# KiCad board AWS PROJECT.kicad_pcb (continued)
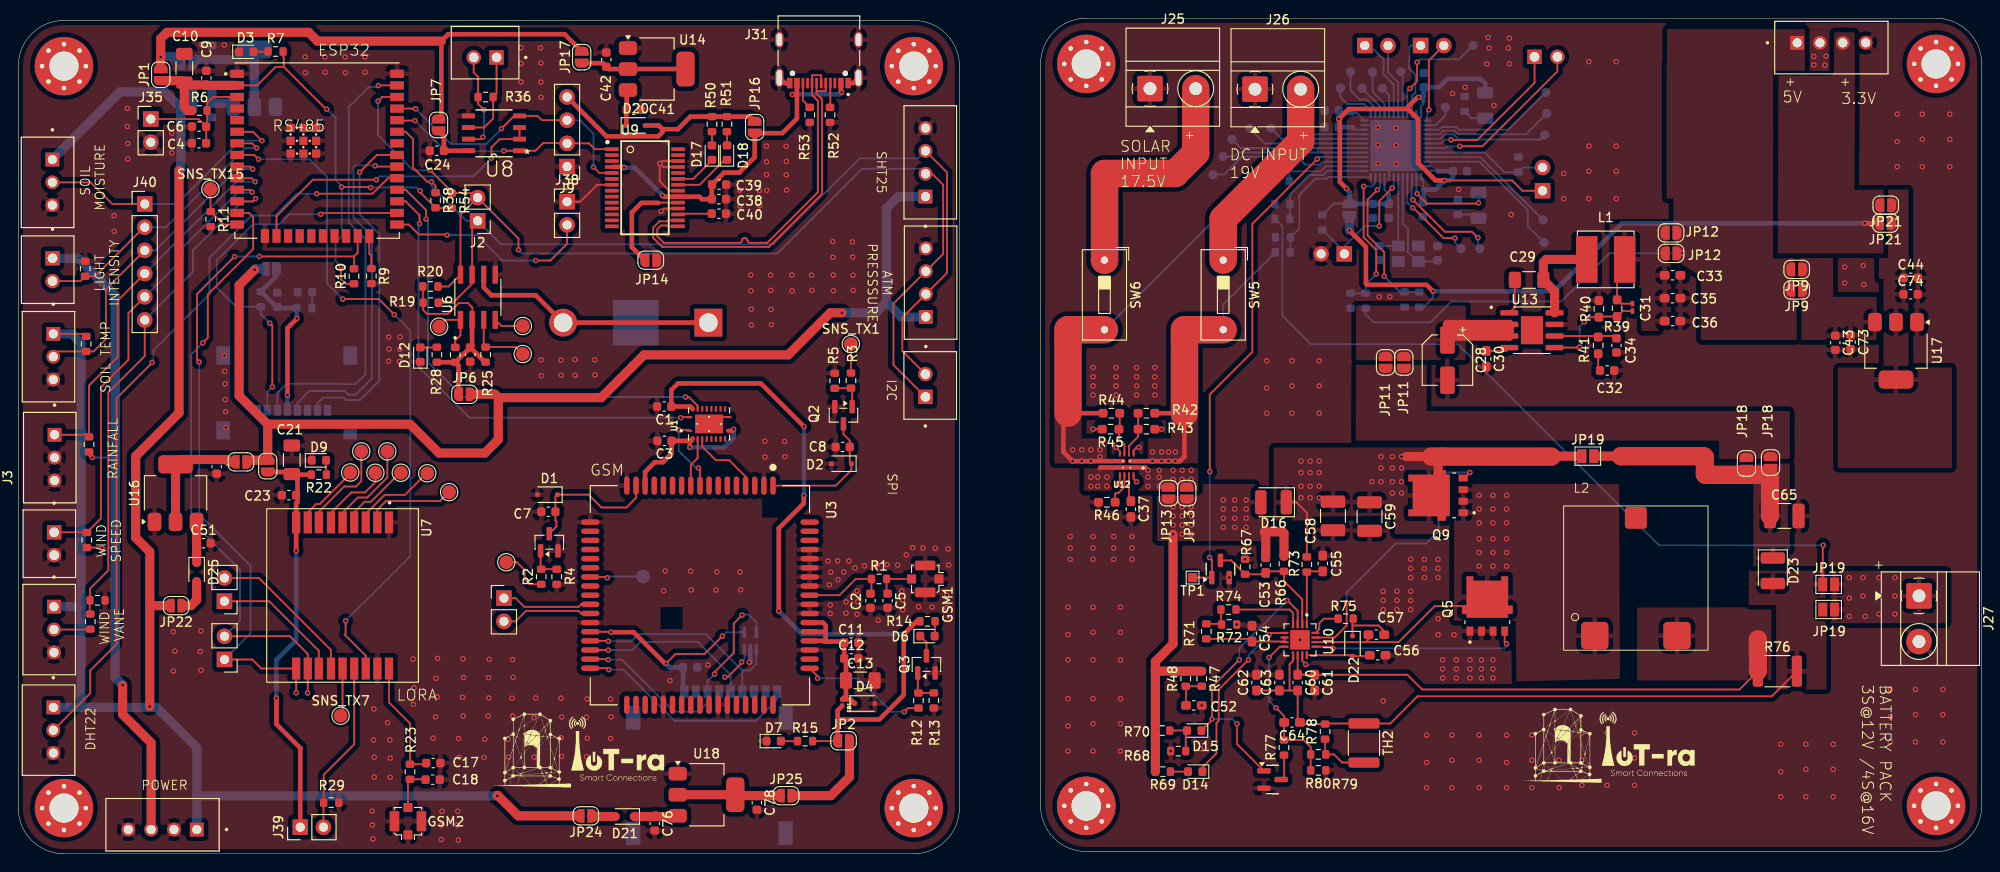
[diagram p0: board, top side]
## Library data of the parts
BT1 = -: MF: MPD; MAXIMUM_PACKAGE_HEIGHT: 2.9mm; Package: None; Price: None; Check_prices: https://www.snapeda.com/parts/BHX1-1225-PC/MPD/view-part/?ref=eda; STANDARD: Manufacturer Recommendations; PARTREV: H; SnapEDA_Link: https://www.snapeda.com/parts/BHX1-1225-PC/MPD/view-part/?ref=snap; Description_1: Battery Retainer Coin, 12.0mm 1 Cell PC Pin; Availability: In Stock; MANUFACTURER: MPD
C1-C9 C11 C12 C14 C17 C18 C22-C25 C38-C44 C46 C47 C49 C51 C67 C73 C74 C76 C78 = -: Description: Unpolarized capacitor, small symbol; ki_fp_filters: C_*
C10 C13 C21 C31 = -: Description: Unpolarized capacitor; ki_fp_filters: C_*
C26 = -: Description: Unpolarized capacitor, small symbol; LCSC: C1592; ki_fp_filters: C_*
C27 C69 C71 = -: Description: Unpolarized capacitor, small symbol; LCSC: C1589; ki_fp_filters: C_*
C28 = -: Description: Polarized capacitor, small US symbol; ki_fp_filters: CP_*
C29 = -: Datasheet: CC1206KRX7R9BB104; Description: Unpolarized capacitor; ki_fp_filters: C_*
C30 C37 C52-C65 = -: Datasheet: CC0603KRX7R9BB103; Description: Unpolarized capacitor; DigiKey_Part_Number: CC0603KRX7R9BB103; ki_fp_filters: C_*
C32 = -: Datasheet: 0603B272K500NT; Description: Unpolarized capacitor; DigiKey_Part_Number: 0603B272K500NT; ki_fp_filters: C_*
C33 C35 C36 = -: Datasheet: CL10A226MO7JZNC; Description: Unpolarized capacitor; DigiKey_Part_Number: CL10A226MO7JZNC; ki_fp_filters: C_*
C34 = -: Datasheet: CC0603JRNPO9BN330; Description: Unpolarized capacitor; DigiKey_Part_Number: CC0603JRNPO9BN330; ki_fp_filters: C_*
C45 = -: Description: Unpolarized capacitor, small symbol; LCSC: C92670; ki_fp_filters: C_*
C68 = -: Description: Unpolarized capacitor, small symbol; LCSC: C66501; ki_fp_filters: C_*
C70 C72 = -: Description: Unpolarized capacitor, small symbol; LCSC: C19666; ki_fp_filters: C_*
D1 D2 D4 D22 = -: Datasheet: https://www.lcsc.com/datasheet/lcsc_datasheet_2409191648_hongjiacheng-SMAJ10A_C41376407.pdf; Description: 17V 400W 12.3V Unidirectional 10V SMA ESD and Surge Protection (TVS/ESD) ROHS; LCSC: C41376407; Stock: 10749; Price: 0.036USD; Process: SMT; Minimum Qty: 5; Attrition Qty: 2; Class: Preferred Component; Category: Circuit Protection,ESD And Surge Protection (TVS/ESD); Manufacturer: hongjiacheng; Part: SMAJ10A; Operating Temperature: -55°C~+155°C; Type: TVS; Peak Pulse Power Dissipation (Ppp): 400W; Number of Lines: Single channel; Breakdown Voltage: 12.3V; Maximum Clamping Voltage: 17V; Reverse Stand-Off Voltage (Vrwm): 10V; Reverse Leakage Current (Ir): 5uA; polarity: Unidirectional; ki_fp_filters: D_*
D3 D6 D7 D9 D12-D15 D17 D18 = -: Description: Light emitting diode; ki_fp_filters: LED* LED_SMD:* LED_THT:*
D5 = -: MF: STMicroelectronics; MAXIMUM_PACKAGE_HEIGHT: 1.10mm; Package: SOT-323 STMicroelectronics; Price: None; Check_prices: https://www.snapeda.com/parts/ESDA6V1W5/STMicroelectronics/view-part/?ref=eda; STANDARD: IPC-7351B; PARTREV: 2; SnapEDA_Link: https://www.snapeda.com/parts/ESDA6V1W5/STMicroelectronics/view-part/?ref=snap; Description_1: - Clamp - Ipp Tvs Diode Surface Mount SOT-323-5; Availability: In Stock; MANUFACTURER: STMicroelectronics
D10 = -: Description: Light emitting diode; Sim.Pins: 1=K 2=A; LCSC: C28310439; ki_fp_filters: LED* LED_SMD:* LED_THT:*
D16 D23 = -: Description: Diode; Sim.Pins: 1=K 2=A; ki_fp_filters: TO-???* *_Diode_* *SingleDiode* D_*
D19 = -: Description: Light emitting diode; Sim.Pins: 1=K 2=A; LCSC: C2980185; ki_fp_filters: LED* LED_SMD:* LED_THT:*
D20 D21 D24 D25 = -: Datasheet: https://datasheet.lcsc.com/lcsc/2204281430_Guangdong-Hottech-1N5819WS_C191023.pdf; Description: 40V 600mV@1A 1A SOD-323 Schottky Barrier Diodes, SOD-323; ki_fp_filters: D*SOD?323*
FB1 = -: Description: Ferrite bead, small symbol; ki_fp_filters: Inductor_* L_* *Ferrite*
GSM1 GSM2 = -: PRICE: None; MP: U.FL-R-SMT_10_; PACKAGE: FakePackage u; AVAILABILITY: Unavailable; DESCRIPTION: U.FL Series 50 Ohm Receptacle Male Pins Ultra Small SMT Coaxial Connector; MF: Hirose; LCSC Part #: C88373
J1 J2 J5-J8 J12 J13 J35 J38 J39 = -: Description: Generic connector, single row, 01x02, script generated; ki_fp_filters: Connector*:*_1x??_*
J3 J20 J21 J32 J37 = -: MF: JST Sales; MAXIMUM_PACKAGE_HEIGHT: 7.00 mm; Package: None; Price: None; Check_prices: https://www.snapeda.com/parts/B3B-XH-A(LF)(SN)/JST/view-part/?ref=eda; STANDARD: Manufacturer Recommendations; PARTREV: 7/4/21; SnapEDA_Link: https://www.snapeda.com/parts/B3B-XH-A(LF)(SN)/JST/view-part/?ref=snap; MP: B3B-XH-A(LF)(SN); Description_1: Connector Header Through Hole 3 position 0.098 (2.50mm); Availability: In Stock; MANUFACTURER: JST Sales America Inc.
J4 J14 J15 J24 J29 = -: MF: JST Sales; MAXIMUM_PACKAGE_HEIGHT: 7 mm; Package: None; Price: None; Check_prices: https://www.snapeda.com/parts/B2B-XH-A(LF)(SN)/JST/view-part/?ref=eda; STANDARD: Manufacturer Recommendations; PARTREV: N/A; SnapEDA_Link: https://www.snapeda.com/parts/B2B-XH-A(LF)(SN)/JST/view-part/?ref=snap; MP: B2B-XH-A(LF)(SN); Description_1: Connector Header Through Hole 2 position 0.098 (2.50mm); Availability: In Stock; MANUFACTURER: JST Sales America Inc.
J9 = -: Description: Generic connector, single row, 01x04, script generated; ki_fp_filters: Connector*:*_1x??_*
J10 = -: MF: Global Connector Technology; Description_1: CONN MICRO SIM CARD R/A SMD; Package: None; Price: None; MAXIMUM_PACKAGE-HEIGHT: 1.5mm; Check_prices: https://www.snapeda.com/parts/SIM7100-8-1-15-00-A/Global+Connector+Technology/view-part/?ref=eda; STANDARD: Manufacturer Recommendations; PARTREV: C; SnapEDA_Link: https://www.snapeda.com/parts/SIM7100-8-1-15-00-A/Global+Connector+Technology/view-part/?ref=snap; MP: SIM7100-8-1-15-00-A; Availability: In Stock; MANUFACTURER: Global Connector Technology
J17 J18 J28 J36 = -: MF: JST Sales; MAXIMUM_PACKAGE_HEIGHT: 7.00 mm; Package: None; Price: None; Check_prices: https://www.snapeda.com/parts/B4B-XH-A(LF)(SN)/JST/view-part/?ref=eda; STANDARD: Manufacturer Recommendations; PARTREV: 7/4/21; SnapEDA_Link: https://www.snapeda.com/parts/B4B-XH-A(LF)(SN)/JST/view-part/?ref=snap; MP: B4B-XH-A(LF)(SN); Description_1: Connector Header Through Hole 4 position 0.098 (2.50mm); Availability: In Stock; MANUFACTURER: JST
J19 = -: MF: Global Connector Technology; Description_1: 8 Position Card Connector microSD Surface Mount, Right Angle Gold; Package: None; Price: None; Check_prices: https://www.snapeda.com/parts/MEM2067-02-180-00-A/Global+Connector+Technology/view-part/?ref=eda; SnapEDA_Link: https://www.snapeda.com/parts/MEM2067-02-180-00-A/Global+Connector+Technology/view-part/?ref=snap; MP: MEM2067-02-180-00-A; Availability: In Stock; MANUFACTURER: GCT
J25-J27 = -: Description: Generic screw terminal, single row, 01x02, script generated (kicad-library-utils/schlib/autogen/connector/); ki_fp_filters: TerminalBlock*:*
J31 = -: MF: HRO Electronics Co., Ltd.; MAXIMUM_PACKAGE_HEIGHT: 3.26 mm; Package: Package; Price: None; Check_prices: https://www.snapeda.com/parts/TYPE-C-31-M-12/HRO+Electronics+Co.%252C+Ltd./view-part/?ref=eda; STANDARD: Manufacturer Recommendations; PARTREV: 2020.12.08; SnapEDA_Link: https://www.snapeda.com/parts/TYPE-C-31-M-12/HRO+Electronics+Co.%252C+Ltd./view-part/?ref=snap; Description_1: USB Connectors 24 Receptacle 1 8.94*7.3mm RoHS; Availability: Not in stock; MANUFACTURER: HRO Electronics Co., Ltd.
J40 = -: Description: Generic connector, single row, 01x06, script generated; ki_fp_filters: Connector*:*_1x??_*
JP1 JP2 JP4 JP6-JP10 JP11#2 JP12-JP18 JP19#3 JP20-JP25 = -: Description: Jumper, 2-pole, small symbol, open; ki_fp_filters: Jumper* TestPoint*2Pads* TestPoint*Bridge*
JP9#2 JP11 JP12#2 JP13#2 JP18#2 JP19 JP19#2 JP21#2 = -: Description: Jumper, 2-pole, small symbol, open
L1 L2 = -: Description: Inductor; ki_fp_filters: Choke_* *Coil* Inductor_* L_*
PB1-PB9 PB11-PB22 SNS_TX1-SNS_TX15 TP1 = -: Description: test point; ki_fp_filters: Pin* Test*
Q1-Q3 = -: Datasheet: https://www.onsemi.com/pdf/datasheet/pzt3904-d.pdf; Description: 0.2A Ic, 40V Vce, Small Signal NPN Transistor, SOT-23; ki_fp_filters: SOT?23*
Q4 Q12 = -: Datasheet: https://www.lcsc.com/datasheet/lcsc_datasheet_2304140030_Jiangsu-Changjing-Electronics-Technology-Co---Ltd--2N7002_C8545.pdf; Description: 60V 115mA 200mW 7.5Ω@10V,500mA 2.5V@250uA 1 N-Channel SOT-23 MOSFETs ROHS; LCSC: C8545; Stock: 917456; Price: 0.018USD; Process: SMT; Minimum Qty: 10; Attrition Qty: 5; Class: Basic Component; Category: Transistors,MOSFETs; Manufacturer: Changjiang Electronics Tech (CJ); Continuous Drain Current (Id): 115mA; Input Capacitance (Ciss@Vds): 50pF; Operating Temperature: -55°C~+150°C; Type: 1 N-channel; Drain Source Voltage (Vdss): 60V; Power Dissipation (Pd): 225mW; Gate Threshold Voltage (Vgs(th)@Id): 2.5V@250uA; Reverse Transfer Capacitance (Crss@Vds): 5pF; Drain Source On Resistance (RDS(on)@Vgs,Id): 5Ω@10V; ki_fp_filters: Q_*
Q5 Q9 = -: Datasheet: https://ngspice.sourceforge.io/docs/ngspice-html-manual/manual.xhtml#cha_MOSFETs; Description: N-MOSFET transistor, drain/source/gate; Sim.Type: VDMOS; Sim.Pins: 1=D 2=G 3=S
R1-R15 R19 R20 R22-R25 R28-R30 R34-R36 R38 R47-R82 = -: Description: Resistor; ki_fp_filters: R_*
R31-R33 = -: Description: Resistor; LCSC: C98220; ki_fp_filters: R_*
R37 = -: Description: Resistor; LCSC: C23138; ki_fp_filters: R_*
R39-R46 = -: Datasheet: FRC0603F5101TS; Description: Resistor; ki_fp_filters: R_*
SW5 SW6 = -: Description: Single Pole Single Throw (SPST) switch
TH2 = -: Description: Temperature dependent resistor, negative temperature coefficient; ki_fp_filters: *NTC* *Thermistor* PIN?ARRAY* bornier* *Terminal?Block* R_*
U1 = -: MF: Texas Instruments; MAXIMUM_PACKAGE_HEIGHT: 1 mm; Package: VQFN-20 Texas Instruments; Price: None; Check_prices: https://www.snapeda.com/parts/TXB0108RGYR/Texas+Instruments/view-part/?ref=eda; STANDARD: Manufacturer recommendations; PARTREV: H; SnapEDA_Link: https://www.snapeda.com/parts/TXB0108RGYR/Texas+Instruments/view-part/?ref=snap; Description_1: 8-Bit Bidirectional Voltage-Level Shifter with Auto Direction Sensing and +/-15-kV ESD Protect; Availability: In Stock; MANUFACTURER: Texas Instruments
U2 = -: MF: Espressif Systems; MAXIMUM_PACKAGE_HEIGHT: 3.25mm; Package: SMD-44 Espressif Systems; Price: None; Check_prices: https://www.snapeda.com/parts/ESP32-WROOM-32E%20(4MB%20HIGH%20TEMP)/Espressif+Systems/view-part/?ref=eda; STANDARD: Manufacturer Recommendations; PARTREV: 1.3; SnapEDA_Link: https://www.snapeda.com/parts/ESP32-WROOM-32E%20(4MB%20HIGH%20TEMP)/Espressif+Systems/view-part/?ref=snap; MP: ESP32-WROOM-32E (4MB HIGH TEMP); Description_1: Bluetooth, WiFi 802.11b/g/n, Bluetooth v4.2 +EDR, Class 1, 2 and 3 Transceiver Module 2.4GHz ~ 2.5GHz Integrated, Trace Surface Mount; Availability: Not in stock; MANUFACTURER: Espressif Systems
U3 = -: MF: SIMCom; Description_1: Cellular Cat-M, Cat-NB, EDGE, GPRS, LPWA Transceiver Module 900MHz, 1.8GHz Antenna Not Included Surface Mount; Package: None; Price: None; Check_prices: https://www.snapeda.com/parts/SIM7000E/SIMCom/view-part/?ref=eda; STANDARD: MANUFACTURER RECOMMENDATIONS; PARTREV: 1.01; SnapEDA_Link: https://www.snapeda.com/parts/SIM7000E/SIMCom/view-part/?ref=snap; Availability: In Stock; MANUFACTURER: SIMCOM
U6 = -: MF: Analog Devices; Description_1: ±5ppm, I2C Real-Time Clock; Package: SOIC-8 Maxim; Price: None; SnapEDA_Link: https://www.snapeda.com/parts/DS3231MZ+TRL/Analog+Devices/view-part/?ref=snap; MP: DS3231MZ+TRL; Availability: In Stock; Check_prices: https://www.snapeda.com/parts/DS3231MZ+TRL/Analog+Devices/view-part/?ref=eda
U7 = -: Datasheet: https://docs.ai-thinker.com/_media/lora/docs/ra-08h_v1.1.0_specification.pdf
U8 = -: MF: STMicroelectronics; Description_1: 1/1 Transceiver Half RS422, RS485 8-SOIC; PACKAGE: SOIC-8; Price: None; Package: SOIC-8 STMicroelectronics; OC_FARNELL: -; SnapEDA_Link: https://www.snapeda.com/parts/ST3485EBDR/STMicroelectronics/view-part/?ref=snap; SUPPLIER: STMICROELECTRONICS; OC_NEWARK: 89K1003; Availability: In Stock; Check_prices: https://www.snapeda.com/parts/ST3485EBDR/STMicroelectronics/view-part/?ref=eda
U9 = -: MF: FTDI,; Description_1: USB Controller, 3MBd, USB2.0, 1.8 - 5.25 V, 28-Pin SSOP, USBmadeEZ-UART Series | FTDI FT232RL-REEL; Package: SSOP-28 FTDI; Price: None; Check_prices: https://www.snapeda.com/parts/FT232RL-REEL/FTDI/view-part/?ref=eda; SnapEDA_Link: https://www.snapeda.com/parts/FT232RL-REEL/FTDI/view-part/?ref=snap; Availability: In Stock; MANUFACTURER: Future Technology Devices International Ltd
U10 = -: MF: Texas Instruments; Description_1: Standalone 1-6 cell Buck battery charge controller with solar input and integrated MPPT; Package: VQFN-16 Texas Instruments; Price: None; SnapEDA_Link: https://www.snapeda.com/parts/BQ24650RVAR/Texas+Instruments/view-part/?ref=snap; Availability: In Stock; Check_prices: https://www.snapeda.com/parts/BQ24650RVAR/Texas+Instruments/view-part/?ref=eda
U11 U14 U16-U18 = -: Datasheet: http://www.advanced-monolithic.com/pdf/ds1117.pdf; Description: 1A Low Dropout regulator, positive, 3.3V fixed output, SOT-223; ki_fp_filters: SOT?223*TabPin2*
U12 = -: DigiKey_Part_Number: 296-53410-1-ND; SnapEDA_Link: https://www.snapeda.com/parts/TPS2121RUXR/Texas+Instruments/view-part/?ref=snap; Description_1: 2.7-V to 22-V, 56-mΩ, 4.5-A, power mux with seamless switchover; Package: VQFN-HR-12 Texas Instruments; Check_prices: https://www.snapeda.com/parts/TPS2121RUXR/Texas+Instruments/view-part/?ref=eda; STANDARD: Manufacturer Recommendations; MF: Texas Instruments; MANUFACTURER: TEXAS INSTRUMENTS
U13 = -: ki_fp_filters: SO-8EP_DIO SO-8EP_DIO-M SO-8EP_DIO-L
U15 = -: MF: STMicroelectronics; MAXIMUM_PACKAGE_HEIGHT: 0.6mm; Package: UFQFPN-48 STMicroelectronics; Price: None; Check_prices: https://www.snapeda.com/parts/STM32F401CCU6/STMicroelectronics/view-part/?ref=eda; STANDARD: IPC-7351B; PARTREV: 11; SnapEDA_Link: https://www.snapeda.com/parts/STM32F401CCU6/STMicroelectronics/view-part/?ref=snap; Purchase-URL: https://www.snapeda.com/api/url_track_click_mouser/?unipart_id=47563&manufacturer=STMicroelectronics&part_name=STM32F401CCU6&search_term=stm32f401ccu6; Description_1: ARM® Cortex®-M4 STM32F4 Microcontroller IC 32-Bit Single-Core 84MHz 256KB (256K x 8) FLASH 48-UFQFPN (7x7); Availability: In Stock; MANUFACTURER: STMicroelectronics
Y1 = -: MF: Aker Technology USA; MAXIMUM_PACKAGE_HEIGHT: 0.75mm; Package: SMD-4 Aker; Price: None; Check_prices: https://www.snapeda.com/parts/C3E-25.000-12-3030-X-R/Aker/view-part/?ref=eda; STANDARD: Manufacturer Recommendations; PARTREV: August 01, 2022; SnapEDA_Link: https://www.snapeda.com/parts/C3E-25.000-12-3030-X-R/Aker/view-part/?ref=snap; Description_1: Crystal, 3.20mm x2.50mm,25MHz,12pF,-40-85C; Availability: In Stock; MANUFACTURER: Aker

## Footprints (pads in the part's own frame, mm; a bottom-side part is the same pattern mirrored in y, then rotated)
BAT_BHX1-1225-PC
  rect 3.05x3.05 hole 2.03: 1(-7.95,0)
  round 3.05 hole 2.03: 1_1(7.95,0)
  rect 5x5 smd: 2(0,0)
BEADC0603X33N
  rect 0.38x0.4 smd: 1(-0.281,0) 2(0.281,0)
C_0201_0603Metric_Pad0.64x0.40mm_HandSolder
  rrect 0.458x0.36 smd: (-0.432,0) (0.432,0)
  rrect 0.635x0.4 smd: 1(-0.407,0) 2(0.407,0)
C_0603_1608Metric
  rrect 0.9x0.95 smd: 1(-0.775,0) 2(0.775,0)
C_0603_1608Metric_Pad1.08x0.95mm_HandSolder
  rrect 1.075x0.95 smd: 1(-0.863,0) 2(0.863,0)
C_1206_3216Metric_Pad1.33x1.80mm_HandSolder
  rrect 1.325x1.8 smd: 1(-1.562,0) 2(1.562,0)
C_1210_3225Metric_Pad1.33x2.70mm_HandSolder
  rrect 1.325x2.7 smd: 1(-1.562,0) 2(1.562,0)
CDEP147NP-6R1MC-95
  rrect 3x3 smd: 1(-4.5,0) 2(4.5,0)
  rrect 2.4x2.4 smd: 3(0,12.9)
CP_Elec_5x5.8
  rrect 3x1.6 smd: 1(-2.2,0) 2(2.2,0)
D_0603_1608Metric
  rrect 0.875x0.95 smd: 1(-0.787,0) 2(0.787,0)
D_1210_3225Metric
  rrect 1.25x2.65 smd: 1(-1.4,0) 2(1.4,0)
D_SOD-323
  rrect 0.6x0.45 smd: 1(-1.05,0) 2(1.05,0)
D_SOD-323F
  rrect 0.5x0.5 smd: 1(-1.1,0) 2(1.1,0)
GCT_MEM2067-02-180-00-A_REVB
  rect 0.8x1.2 smd: 1(3.225,-2.625) 2(2.125,-2.625) 3(1.025,-2.625) 4(-0.075,-2.625) 5(-1.175,-2.625) 6(-2.275,-2.625) 7(-3.375,-2.625) 8(-4.475,-2.625)
  rect 1.5x2 smd: 9(-6.945,-4.825) 10(-6.945,3.375) 11(6.945,3.375) 12(6.945,-4.825)
GCT_SIM7100-8-1-15-00-A_REVC
  rect 1.56x2.61 smd: 1(-8.34,5.34) 2(-8.34,-7.29) 3(8.34,-7.29) 4(8.34,5.34)
  rect 0.9x1.35 smd: C1(2.755,8.215) C2(0.215,8.215) C3(-2.325,8.215) C4(-4.865,8.215) C5(1.485,8.215) C6(-1.055,8.215) C7(-3.595,8.215) C8(-6.135,8.215) CD(-7.405,8.215)
HRO_TYPE-C-31-M-12
  round 0.6 hole 0.6 unplated: (-2.89,3.68) (2.89,3.68)
  rect 0.6x1.14 smd: A1_B12(-3.2,4.75) A4_B9(-2.4,4.75) B1_A12(3.2,4.75) B4_A9(2.4,4.75)
  rect 0.3x1.14 smd: A5(-1.25,4.75) A6(-0.25,4.75) A7(0.25,4.75) A8(1.25,4.75) B5(1.75,4.75) B6(0.75,4.75) B7(-0.75,4.75) B8(-1.75,4.75)
  oval 0.9x2 hole 0.6x1.7: S1(-4.325,4.17) S2(4.325,4.17)
  oval 0.9x1.7 hole 0.6x1.4: S3(-4.325,0) S4(4.325,0)
IC_TPS2121RUXR
  rrect 1.05x0.4 smd: 1(-0.675,0.35) 2(-0.675,-0.35) 7(0.675,-0.35) 8(0.675,0.35)
  round 0.3 hole 0.2: 1_1(-0.4,0.35) 2_1(-0.4,-0.35) 7_1(0.4,-0.35) 8_1(0.4,0.35)
  rrect 0.2x0.6 smd: 3(-0.75,-1.15) 4(-0.25,-1.15) 5(0.25,-1.15) 6(0.75,-1.15) 9(0.75,1.15) 10(0.25,1.15) 11(-0.25,1.15) 12(-0.75,1.15)
IC_TXB0108RGYR
  rrect 0.24x0.6 smd: 1(-0.75,2.15) 10(-0.75,-2.15) 11(0.75,-2.15) 20(0.75,2.15)
  rrect 0.6x0.24 smd: 2(-1.65,1.75) 3(-1.65,1.25) 4(-1.65,0.75) 5(-1.65,0.25) 6(-1.65,-0.25) 7(-1.65,-0.75) 8(-1.65,-1.25) 9(-1.65,-1.75) 12(1.65,-1.75) 13(1.65,-1.25) 14(1.65,-0.75) 15(1.65,-0.25) 16(1.65,0.25) 17(1.65,0.75) 18(1.65,1.25) 19(1.65,1.75)
  rect 2.05x3.05 smd: 21(0,0)
  round 0.3 hole 0.2: 21_1(0,1.275) 21_2(-0.775,0) 21_3(0.775,0) 21_4(0,-1.275)
JST_B2B-XH-A_LF__SN_
  rect 1.575x1.575 hole 1.05: 1(1.25,-0.525)
  round 1.575 hole 1.05: 2(-1.25,-0.525)
JST_B3B-XH-A_LF__SN_
  rect 1.508x1.508 hole 1: 1(2.5,-0.525)
  round 1.508 hole 1: 2(0,-0.525) 3(-2.5,-0.525)
JST_B4B-XH-A_LF__SN_
  rect 1.508x1.508 hole 1: 1(3.75,-0.525)
  round 1.508 hole 1: 2(1.25,-0.525) 3(-1.25,-0.525) 4(-3.75,-0.525)
L_Bourns_SRN6045TA
  rect 2.35x5.1 smd: 1(-2.075,0) 2(2.075,0)
LED_1206_3216Metric
  rrect 1.25x1.75 smd: 1(-1.4,0) 2(1.4,0)
MODULE_ESP32-WROOM-32UE_M113EH6400UH3Q0_
  rect 1.5x0.9 smd: 1(-8.75,8.41) 2(-8.75,7.14) 3(-8.75,5.87) 4(-8.75,4.6) 5(-8.75,3.33) 6(-8.75,2.06) 7(-8.75,0.79) 8(-8.75,-0.48) 9(-8.75,-1.75) 10(-8.75,-3.02) 11(-8.75,-4.29) 12(-8.75,-5.56) 13(-8.75,-6.83) 14(-8.75,-8.1) 25(8.75,-8.1) 26(8.75,-6.83) 27(8.75,-5.56) 28(8.75,-4.29) 29(8.75,-3.02) 30(8.75,-1.75) 31(8.75,-0.48) 32(8.75,0.79) 33(8.75,2.06) 34(8.75,3.33) 35(8.75,4.6) 36(8.75,5.87) 37(8.75,7.14) 38(8.75,8.41)
  rect 0.9x1.5 smd: 15(-5.71,-9.35) 16(-4.44,-9.35) 17(-3.17,-9.35) 18(-1.9,-9.35) 19(-0.63,-9.35) 20(0.64,-9.35) 21(1.91,-9.35) 22(3.18,-9.35) 23(4.45,-9.35) 24(5.72,-9.35)
  rect 0.9x0.9 smd: 39_1(-2.9,2.47) 39_2(-1.5,2.47) 39_3(-0.1,2.47) 39_4(-2.9,1.07) 39_5(-1.5,1.07) 39_6(-0.1,1.07) 39_7(-2.9,-0.33) 39_8(-1.5,-0.33) 39_9(-0.1,-0.33)
  round 0.3 hole 0.2: 39_10(-2.2,2.47) 39_11(-0.8,2.47) 39_12(-2.9,1.77) 39_13(-1.5,1.77) 39_14(-0.1,1.77) 39_15(-2.2,1.07) 39_16(-0.8,1.07) 39_17(-2.9,0.37) 39_18(-1.5,0.37) 39_19(-0.1,0.37) 39_20(-2.2,-0.33) 39_21(-0.8,-0.33)
MountingHole_3.2mm_M3_Pad_Via
  round 0.8 hole 0.5: 1(-2.4,0) 1(-1.697,1.697) 1(-1.697,-1.697) 1(0,2.4) 1(0,-2.4) 1(1.697,1.697) 1(1.697,-1.697) 1(2.4,0)
  round 6.4 hole 3.2: 1(0,0)
PinHeader_1x02_P2.54mm_Vertical
  rect 1.7x1.7 hole 1: 1(0,0)
  round 1.7 hole 1: 2(0,-2.54)
PinHeader_1x04_P2.54mm_Vertical
  rect 1.7x1.7 hole 1: 1(0,0)
  round 1.7 hole 1: 2(0,-2.54) 3(0,-5.08) 4(0,-7.62)
PinHeader_1x06_P2.54mm_Vertical
  rect 1.7x1.7 hole 1: 1(0,0)
  round 1.7 hole 1: 2(0,-2.54) 3(0,-5.08) 4(0,-7.62) 5(0,-10.16) 6(0,-12.7)
Q_SOT-23
  rrect 1.48x0.6 smd: 1(-0.94,0.95) 2(-0.94,-0.95) 3(0.94,0)
QFN50P350X350X100-17N
  rrect 0.86x0.26 smd: 1(-1.685,0.75) 2(-1.685,0.25) 3(-1.685,-0.25) 4(-1.685,-0.75) 9(1.685,-0.75) 10(1.685,-0.25) 11(1.685,0.25) 12(1.685,0.75)
  rrect 0.26x0.86 smd: 5(-0.75,-1.685) 6(-0.25,-1.685) 7(0.25,-1.685) 8(0.75,-1.685) 13(0.75,1.685) 14(0.25,1.685) 15(-0.25,1.685) 16(-0.75,1.685)
  rect 2.14x2.14 smd: 17(0,0)
QFN50P700X700X60-49N
  rect 0.86x0.27 smd: 1(-3.435,2.75) 2(-3.435,2.25) 3(-3.435,1.75) 4(-3.435,1.25) 5(-3.435,0.75) 6(-3.435,0.25) 7(-3.435,-0.25) 8(-3.435,-0.75) 9(-3.435,-1.25) 10(-3.435,-1.75) 11(-3.435,-2.25) 12(-3.435,-2.75) 25(3.435,-2.75) 26(3.435,-2.25) 27(3.435,-1.75) 28(3.435,-1.25) 29(3.435,-0.75) 30(3.435,-0.25) 31(3.435,0.25) 32(3.435,0.75) 33(3.435,1.25) 34(3.435,1.75) 35(3.435,2.25) 36(3.435,2.75)
  rect 0.27x0.86 smd: 13(-2.75,-3.435) 14(-2.25,-3.435) 15(-1.75,-3.435) 16(-1.25,-3.435) 17(-0.75,-3.435) 18(-0.25,-3.435) 19(0.25,-3.435) 20(0.75,-3.435) 21(1.25,-3.435) 22(1.75,-3.435) 23(2.25,-3.435) 24(2.75,-3.435) 37(2.75,3.435) 38(2.25,3.435) 39(1.75,3.435) 40(1.25,3.435) 41(0.75,3.435) 42(0.25,3.435) 43(-0.25,3.435) 44(-0.75,3.435) 45(-1.25,3.435) 46(-1.75,3.435) 47(-2.25,3.435) 48(-2.75,3.435)
  rect 5.6x5.6 smd: 49(0,0)
R_0603_1608Metric
  rrect 0.8x0.95 smd: 1(-0.825,0) 2(0.825,0)
R_0603_1608Metric_Pad0.98x0.95mm_HandSolder
  rrect 0.975x0.95 smd: 1(-0.912,0) 2(0.912,0)
R_1812_4532Metric
  rrect 1.125x3.4 smd: 1(-2.138,0) 2(2.138,0)
RA-08H
  rect 2.4x0.9 smd: 1(-8,5.08) 2(-8,3.81) 3(-8,2.54) 4(-8,1.27) 5(-8,0) 6(-8,-1.27) 7(-8,-2.6) 8(-8,-3.81) 9(-8,-5.08) 10(8,-5.08) 11(8,-3.81) 12(8,-2.6) 13(8,-1.27) 14(8,0) 15(8,1.27) 16(8,2.54) 17(8,3.81) 18(8,5.08)
SIMCON_SIM7000E
  oval 2x0.6 smd: 1(-12,8) 2(-12,7) 3(-12,6) 4(-12,5) 5(-12,4) 6(-12,3) 7(-12,2) 8(-12,1) 9(-12,0) 10(-12,-1) 11(-12,-2) 12(-12,-3) 13(-12,-4) 14(-12,-5) 15(-12,-6) 16(-12,-7) 17(-12,-8) 35(12,-8) 36(12,-7) 37(12,-6) 38(12,-5) 39(12,-4) 40(12,-3) 41(12,-2) 42(12,-1) 43(12,0) 44(12,1) 45(12,2) 46(12,3) 47(12,4) 48(12,5) 49(12,6) 50(12,7) 51(12,8)
  oval 0.6x2 smd: 18(-8,-12) 19(-7,-12) 20(-6,-12) 21(-5,-12) 22(-4,-12) 23(-3,-12) 24(-2,-12) 25(-1,-12) 26(0,-12) 27(1,-12) 28(2,-12) 29(3,-12) 30(4,-12) 31(5,-12) 32(6,-12) 33(7,-12) 34(8,-12) 52(8,12) 53(7,12) 54(6,12) 55(5,12) 56(4,12) 57(3,12) 58(2,12) 59(1,12) 60(0,12) 61(-1,12) 62(-2,12) 63(-3,12) 64(-4,12) 65(-5,12) 66(-6,12) 67(-7,12) 68(-8,12)
SOIC127P600X170-9N
  rrect 1.97x0.6 smd: 1(-2.475,1.905) 2(-2.475,0.635) 3(-2.475,-0.635) 4(-2.475,-1.905) 5(2.475,-1.905) 6(2.475,-0.635) 7(2.475,0.635) 8(2.475,1.905)
  rect 2.41x3.076 smd: 9(0,0)
SOIC127P600X175-8N
  rect 1.422x0.533 smd: 1(-2.794,1.905) 2(-2.794,0.635) 3(-2.794,-0.635) 4(-2.794,-1.905) 5(2.794,-1.905) 6(2.794,-0.635) 7(2.794,0.635) 8(2.794,1.905)
SOIC127P600X175-8N#2
  rrect 1.97x0.59 smd: 1(-2.475,1.905) 2(-2.475,0.635) 3(-2.475,-0.635) 4(-2.475,-1.905) 5(2.475,-1.905) 6(2.475,-0.635) 7(2.475,0.635) 8(2.475,1.905)
SolderJumper-2_P1.3mm_Open_Pad1.0x1.5mm
  rect 1x1.5 smd: 1(-0.65,0) 2(0.65,0)
SolderJumper-2_P1.3mm_Open_RoundedPad1.0x1.5mm
  custom 1x1.5 smd: 1(-0.65,0) 2(0.65,0)
SolderJumper-2_P1.3mm_Open_RoundedPad1.0x1.5mm#2
  custom 1x1.5 smd: (-0.65,0) 2(0.65,0)
SOP65P780X200-28N
  rect 1.5x0.4 smd: 1(-3.625,4.225) 2(-3.625,3.575) 3(-3.625,2.925) 4(-3.625,2.275) 5(-3.625,1.625) 6(-3.625,0.975) 7(-3.625,0.325) 8(-3.625,-0.325) 9(-3.625,-0.975) 10(-3.625,-1.625) 11(-3.625,-2.275) 12(-3.625,-2.925) 13(-3.625,-3.575) 14(-3.625,-4.225) 15(3.625,-4.225) 16(3.625,-3.575) 17(3.625,-2.925) 18(3.625,-2.275) 19(3.625,-1.625) 20(3.625,-0.975) 21(3.625,-0.325) 22(3.625,0.325) 23(3.625,0.975) 24(3.625,1.625) 25(3.625,2.275) 26(3.625,2.925) 27(3.625,3.575) 28(3.625,4.225)
SOT65P210X110-5N
  rect 1.23x0.4 smd: 1(-0.94,0.65) 2(-0.94,0) 3(-0.94,-0.65) 4(0.94,-0.65) 5(0.94,0.65)
SOT-23
  rrect 1.475x0.6 smd: 1(-0.938,0.95) 2(-0.938,-0.95) 3(0.938,0)
SOT-223-3_TabPin2
  rrect 2x1.5 smd: 1(-3.15,2.3) 2(-3.15,0) 3(-3.15,-2.3)
  rrect 2x3.8 smd: 2(3.15,0)
SW_DIP_SPSTx01_Slide_9.78x4.72mm_W7.62mm_P2.54mm
  rrect 1.6x1.6 hole 0.8: 1(0,0)
  round 1.6 hole 0.8: 2(7.62,0)
TerminalBlock_MetzConnect_Type011_RT05502HBWC_1x02_P5.00mm_Horizontal
  rrect 2.8x2.8 hole 1.4: 1(0,0)
  round 2.8 hole 1.4: 2(5,0)
TestPoint_Pad_1.0x1.0mm
  rect 1x1 smd: 1(0,0)
TestPoint_Pad_D1.0mm
  round 1 smd: 1(0,0)
TestPoint_Pad_D1.5mm
  round 1.5 smd: 1(0,0)
TRANS_NVMFS5834NLWFT1G
  rect 1x0.75 smd: 1(-2.748,1.905) 2(-2.748,0.635) 3(-2.748,-0.635) 4(-2.748,-1.905)
  custom 4.54x5.56 smd: 5_6(0,0)
U.FL_Molex_MCRF_73412-0110_Vertical
  rrect 1x1 smd: 1(0,-1.5) 2(0,1.5)
  rrect 1.05x2.2 smd: 2(-1.475,0) 2(1.475,0)
unnamed
  round 6.4 hole 3.2: 1(0,0)
XTAL_C3E-25.000-12-3030-X-R
  rect 1.4x1.2 smd: 1(-1.1,-0.85) 2(1.1,-0.85) 3(1.1,0.85) 4(-1.1,0.85)

## Nets
3v3: J15.1 J18.3 R55.2 R61.2
5v: J18.1 J20.1 J21.1 J32.1 J37.1 JP10.2 JP22.2 JP24.2 R35.2
+3.3V: J36.3 JP20.2 JP21.2 JP21#2.2 R49.1
+3.3V_ESP: JP1.2 JP7.2 JP15.2 JP17.2
+3.3V_GSM: JP2.2 JP25.2
+3.3V_LORA: J17.1 J28.1 JP4.2 JP6.2 JP8.2 JP23.2
+5V: J36.1 JP9.2 JP9#2.2 JP12.2 JP12#2.2 R57.1
/gate way/VDD_EXT: C3.1 U1.2 U1.10 U3.15
/power board/3V3_INPUT: R49.2 R56.1 U15.10
/power board/5V_INPUT: R57.2 R58.1 U15.11
GND: BT1.2 C1.2 C2.2 C3.2 C4.1 C5.2 C6.2 C7.2 C8.2 C9.2 C10.2 C11.2 C12.2 C13.2 C14.2 C17.2 C18.2 C21.2 C22.2 C23.2 C24.2 C25.2 C26.2 C27.2 C28.2 C30.2 C32.2 C33.2 C34.2 C35.2 C36.2 C37.2 C38.2 C39.2 C40.2 C41.2 C42.2 C43.2 C44.2 C45.1 C46.1 C47.2 C49.2 C51.2 C52.2 C54.2 C55.2 C57.2 C58.2 C59.2 C61.2 C62.2 C63.2 C65.2 C67.2 C68.2 C69.2 C70.2 C71.2 C72.2 C73.2 C74.2 C76.2 C78.2 D1.2 D2.2 D3.1 D4.2 D5.2 D7.1 D9.1 D12.1 D13.1 GSM1.2 GSM2.2 J3.2 J3.3 J8.2 J9.1 J10.C5 J14.2 J17.4 J18.2 J18.4 J19.6 J19.9 J19.10 J19.11 J19.12 J20.3 J21.3 J25.1 J26.1 J27.2 J28.4 J31.A1_B12 J31.B1_A12 J31.S1 J31.S2 J31.S3 J31.S4 J32.3 J35.2 J36.2 J36.4 J37.3 J38.1 JP14.2 Q1.2 Q2.2 Q3.2 Q4.2 Q5.1 Q5.2 Q5.3 Q12.2 R4.1 R5.1 R8.1 R9.2 R11.2 R13.1 R29.1 R31.1 R33.1 R37.1 R40.2 R43.2 R45.2 R46.2 R52.1 R53.1 R56.2 R58.2 R60.2 R63.1 R65.2 R67.1 R68.1 R72.1 R80.1 R82.2 U1.11 U1.21 U1.21_1 U1.21_2 U1.21_3 U1.21_4 U2.1 U2.15 U2.38 U2.39_1 U2.39_2 U2.39_3 U2.39_4 U2.39_5 U2.39_6 U2.39_7 U2.39_8 U2.39_9 U3.2 U3.17 U3.18 U3.29 U3.39 U3.45 U3.46 U3.54 U3.58 U3.59 U3.61 U3.62 U3.63 U3.64 U3.65 U6.5 U7.1 U7.17 U8.5 U9.7 U9.18 U9.21 U9.25 U9.26 U10.11 U10.17 U11.1 U12.3 U12.6 U12.9 U12.12 U13.7 U14.1 U15.8 U15.23 U15.35 U15.47 U15.49 U16.1 U17.1 U18.1 Y1.2 Y1.4
VBUS: C38.1 C39.1 J31.A4_B9 J31.B4_A9 JP16.1 U9.4 U9.20
VCC: D20.2 J9.4 JP16.2 R50.2 R51.2
VDD: C26.1 C27.1 C68.1 C69.1 C70.1 C71.1 C72.1 D10.2 J7.1 JP20.1 R32.2 U15.1 U15.9 U15.22 U15.24 U15.36 U15.48
/gate way/32khz: R24.1 SNS_TX8.1 U6.1
/gate way/-rs485 en: U2.16 U8.2 U8.3
/gate way/D+: J1.1 U3.27
/gate way/D-: J1.2 U3.28
/gate way/DAVIS 7852: J3.1 J40.4 R61.1 U2.10
/gate way/DHT22: J32.2 U2.29
/gate way/DS18B20: J21.2 J40.3 R35.1 U2.9
/gate way/ESP32 power in: C9.1 C10.1 JP1.1 R6.1 R7.2 R10.1 R38.2 R54.2 U2.2
/gate way/ESP_RX: U1.20 U2.27
/gate way/ESP_TX: U1.18 U2.28
/gate way/gsm power key: R3.1 SNS_TX1.1
/gate way/gsm reset: R2.1 SNS_TX13.1
/gate way/gsm rx: U1.3 U3.10
/gate way/gsm tx: U1.1 U3.9
/gate way/GSM_pw in: C1.1 FB1.2 JP2.1 R14.2 R15.2 U1.19
/gate way/I2C SCL: J2.2 J17.2 J28.3 J29.1 R20.1 R54.1 U2.36 U6.8
/gate way/I2C SDA: J2.1 J17.3 J28.2 J29.2 R19.1 R38.1 U2.33 U6.7
/gate way/INSPEED VORTEX: J14.1 J40.5 R55.1 U2.11
/gate way/INSPEEED VANE: J40.6 R62.2 R63.2 U2.12
/gate way/LORA ANT: C17.1 R23.1 U7.18
/gate way/LORA BOOT: J39.2 R29.2 U7.15
/gate way/lora power in: C21.1 C23.1 J39.1 JP4.1 R22.2 U7.9
/gate way/LORA RST: U2.8 U7.16
/gate way/LORA_RX: J12.2 U2.13 U7.11
/gate way/LORA_TX: J12.1 R10.2 U2.23 U7.10
/gate way/main ant: C2.1 R1.1 U3.60
/gate way/netlight: R12.1 U3.52
/gate way/nreset: C7.1 D1.1 Q1.3 U3.16
/gate way/pwkey: C8.1 D2.1 Q2.3 U3.1
/gate way/ri: U1.4 U3.4
/gate way/RI: U1.17
/gate way/RS485 power in: C24.1 JP7.1 U8.8
/gate way/RTC INT: R25.1 SNS_TX9.1 U6.3
/gate way/RTC power input: C22.1 JP6.1 R19.2 R20.2 R24.2 R25.2 R28.2 U6.2
/gate way/RTC RST: SNS_TX10.1 U6.4
/gate way/rx: J9.2 U2.34 U8.1 U9.1
/gate way/S1223: J15.2 J40.2 R8.2 U2.7
/gate way/SD CS: J19.2 R34.1 U2.26
/gate way/SD power in: C25.1 J19.4 JP8.1 R30.2 R34.2
/gate way/SIM CLK: D5.3 J10.C3 U3.32
/gate way/SIM DATA: D5.1 J10.C7 U3.31
/gate way/SIM DET: J10.CD U3.34
/gate way/SIM RST: D5.5 J10.C2 U3.33
/gate way/SIM VDD: C14.1 D5.4 J10.C1 U3.30
/gate way/strap2: R9.1 U2.24
/gate way/strap12: R11.1 SNS_TX15.1 U2.14
/gate way/tx: J9.3 U2.35 U8.4 U9.5
/gate way/USBD+: J31.A6 J31.B6 U9.15
/gate way/USBD-: J31.A7 J31.B7 U9.16
/gate way/VH400: J20.2 J40.1 U2.6
/gate way/VSPI-CLK: J19.5 U2.30
/gate way/VSPI-MISO: J19.7 U2.31
/gate way/VSPI-MOSI: J19.3 U2.37
/power board/BATT_INPUT: R64.2 R65.1 U15.13
/power board/BATT_VAL: C60.2 C62.1 C63.1 C64.1 D23.2 JP19#3.1 R64.1 R76.2 R78.2 TH2.1 U10.9
/power board/BATTERY BMS: J27.1 JP19.2 JP19#3.2
/power board/BOOT0_MCU: J7.2 R33.2 U15.44
/power board/BOOT1_MCU: PB9.1 U15.20
/power board/btst: R75.2 U10.16
/power board/CE: Q4.1 TP1.1 U15.16
/power board/cin: C45.2 U15.5 Y1.1
/power board/cout: C46.2 U15.6 Y1.3
/power board/DC JACK INPUT: R42.1 R59.1 SW5.2 U12.2 U12.2_1
/power board/DC_INPUT: R59.2 R60.1 U15.12
/power board/FB: C31.2 R39.2 R40.1 U13.5
/power board/hidriv: Q9.4 U10.15
/power board/lodriv: Q5.4 U10.13
/power board/MCU_SCL: J4.1 U15.42
/power board/MCU_SDA: J4.2 U15.43
/power board/mpptset: C53.2 Q4.3 R66.1 R67.2 U10.2
/power board/MUXOUT: C53.1 D16.2 JP13.2 JP13#2.2 R47.2 R48.2 R66.2 R69.2 R70.2
/power board/OV1: R44.2 R45.1 U12.5
/power board/OV2: R42.2 R43.1 U12.4
/power board/ph: C56.2 L2.1 Q5.5_6 Q9.1 Q9.2 Q9.3 U10.14
/power board/regn: C57.1 D22.2 U10.12
/power board/RST_MCU: J8.1 R32.1 U15.7
/power board/SOLAR INPUT: R44.1 R81.1 SW6.2 U12.7 U12.7_1
/power board/SOLAR_INPUT: R81.2 R82.1 U15.14
/power board/srn: JP19.1
